# Altium PCB pcb.PcbDoc (part 1 of 2) (continued)
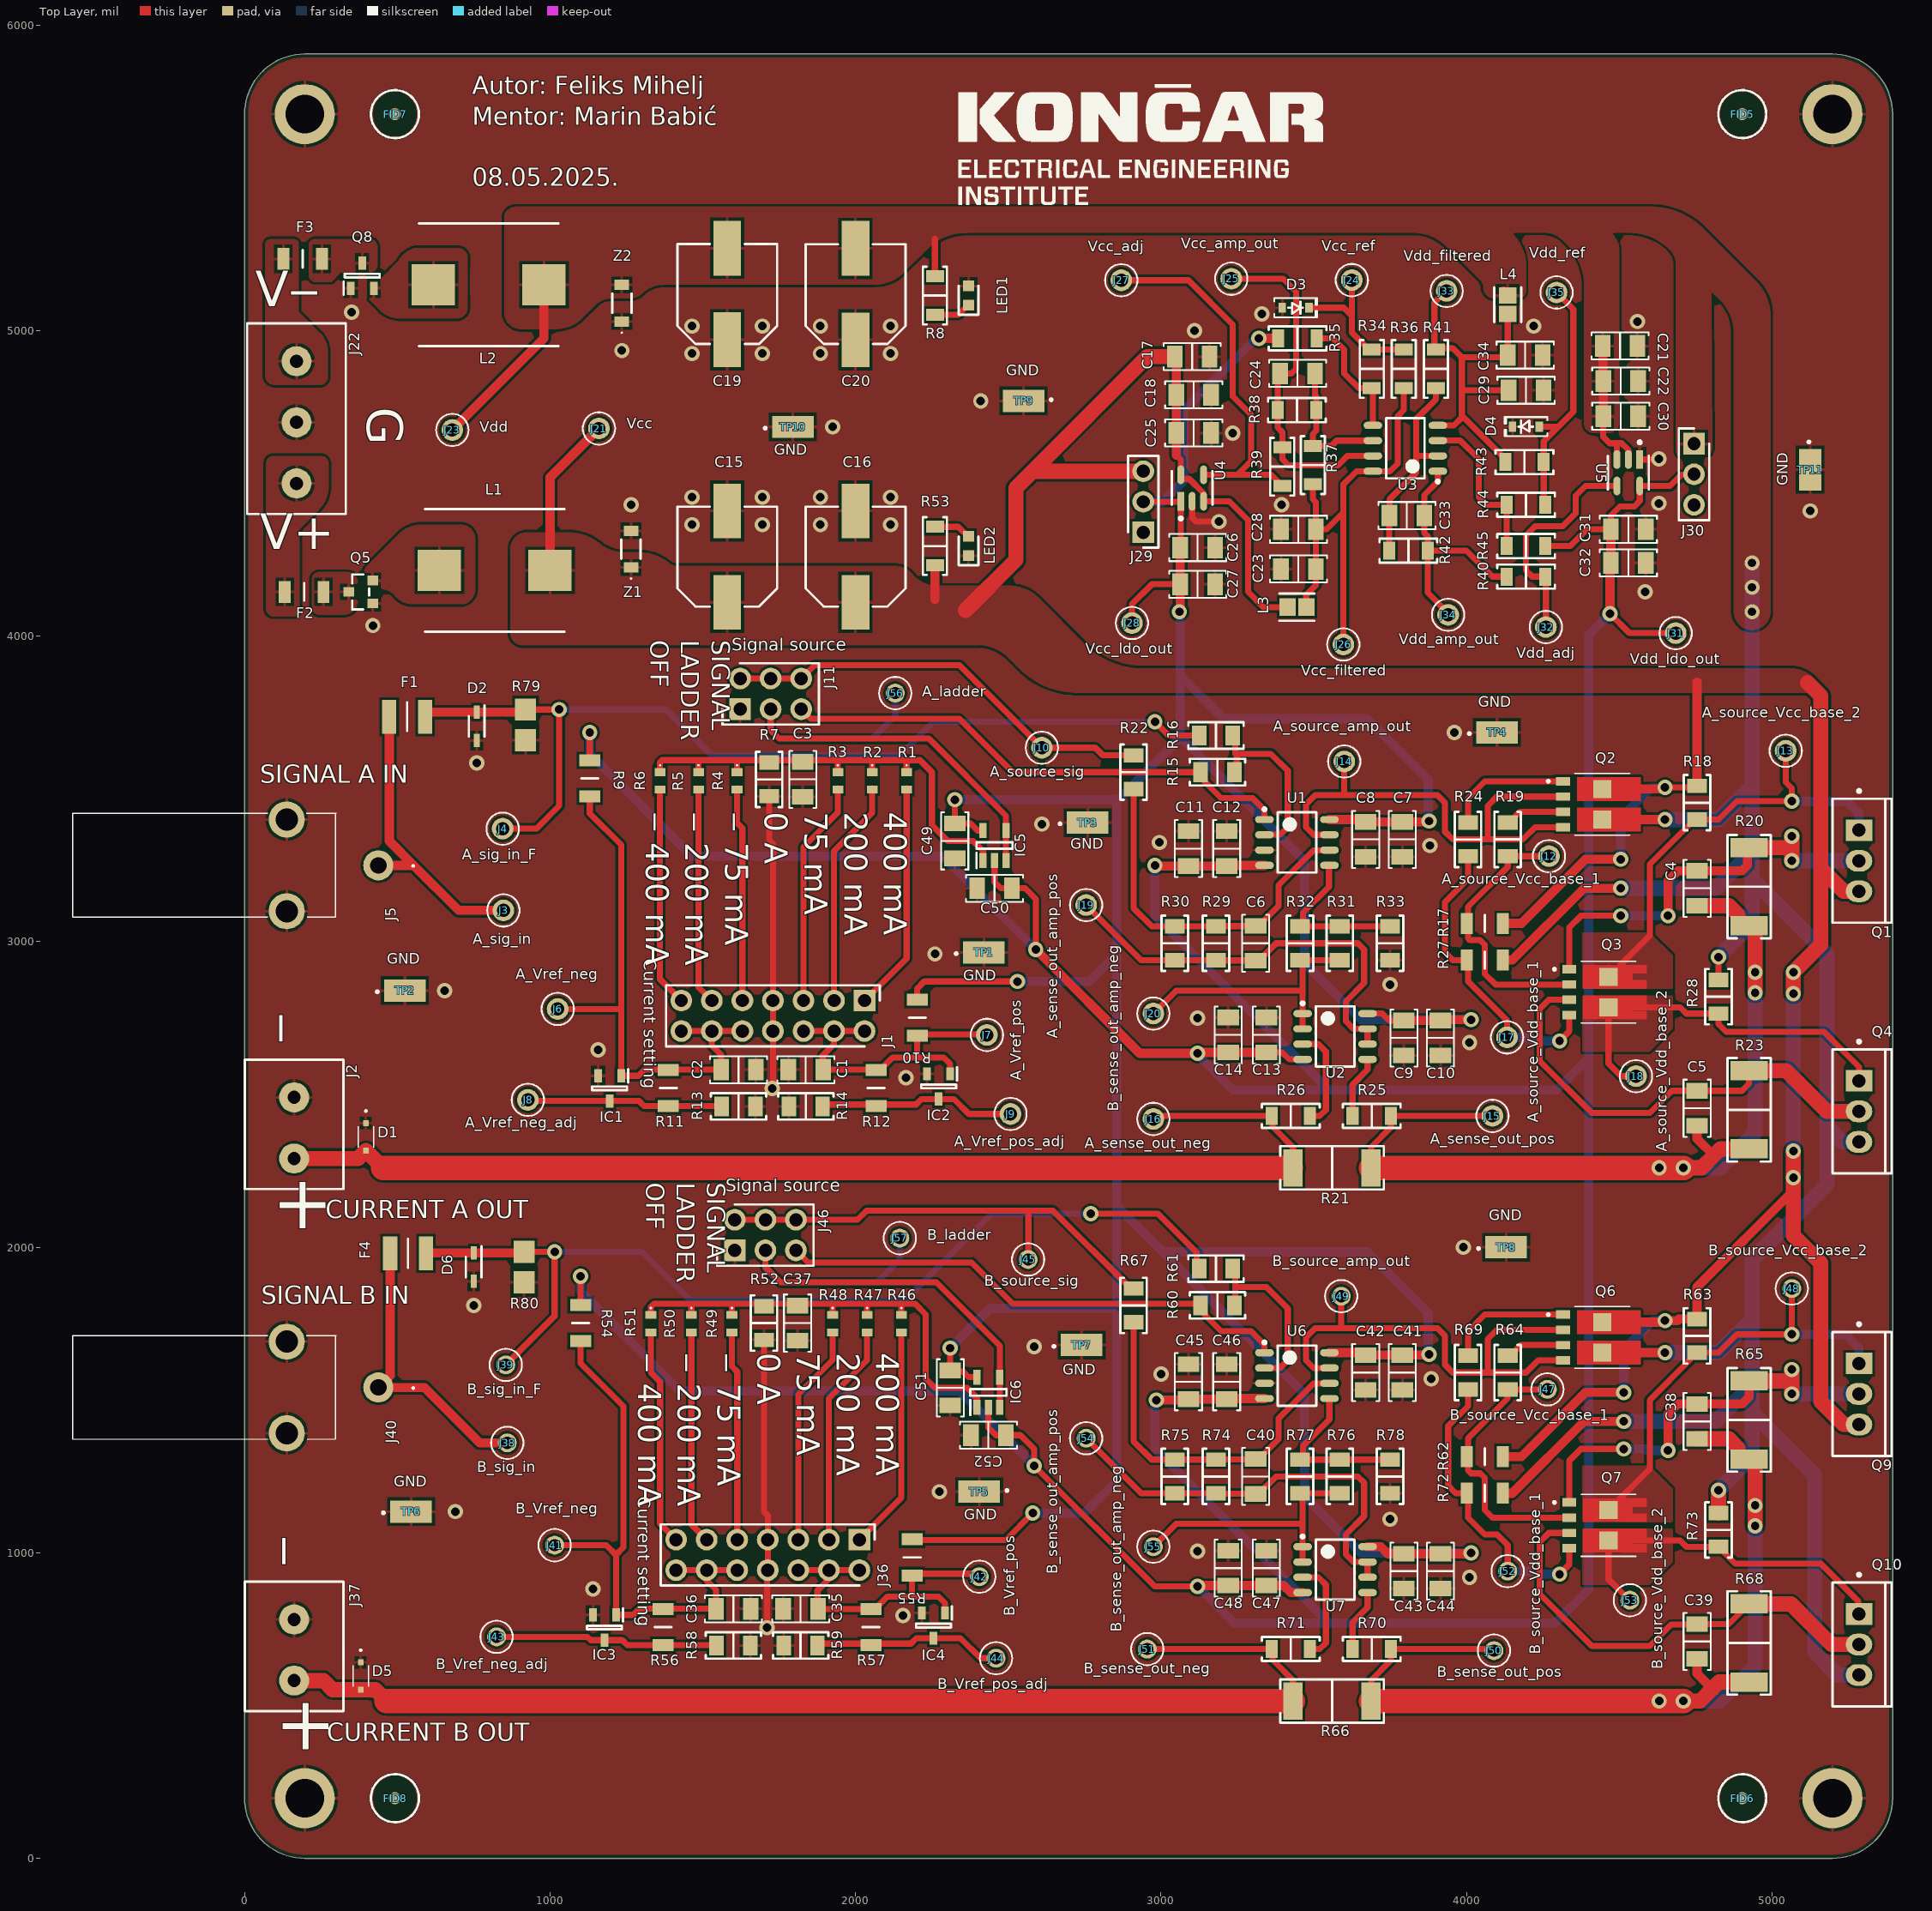
[diagram p0: Top Layer view]
## Design rules (kind name [scope] priority, off if disabled: settings)
BoardOutlineClearance [All] p1: gap=11.81 ignorepadtopadclearanceinfootprint=FALSE except(15.75: Arc-SplitBarrior Arc-SplitContinuation Track-SplitBarrior Track-SplitContinuation SMDPad-SplitBarrior SMDPad-SplitContinuation THPad-SplitBarrior THPad-SplitContinuation Via-SplitBarrior Via-SplitContinuation Fill-SplitBarrior Fill-SplitContinuation Poly-SplitBarrior Poly-SplitContinuation Region-SplitBarrior Region-SplitContinuation Text-SplitBarrior Text-SplitContinuation)
Clearance "Clearance Different Nets" [All] p1: gap=7.87 ignorepadtopadclearanceinfootprint=FALSE except(3.5: Arc-Arc Arc-Track Arc-SMDPad Track-Track Track-SMDPad; 5: SMDPad-SMDPad SMDPad-Via THPad-Via Via-Via; 10: Arc-Via Arc-Text Track-Via Track-Text SMDPad-Text THPad-Text Via-Text Fill-Text Poly-Text Region-Text Text-Text; 19.68: THPad-THPad Via-Hole)
Clearance "Clearance Same Nets" [All] p2: gap=7.87 ignorepadtopadclearanceinfootprint=FALSE except(3.5: Arc-Arc Arc-Track Arc-SMDPad Track-Track Track-SMDPad SMDPad-SMDPad; 5: SMDPad-Via THPad-Via; 10: Arc-Via Arc-Text Track-Via Track-Text SMDPad-Text THPad-Text Via-Via Via-Text Fill-Text Poly-Text Region-Text Text-Text)
Clearance "Clearance Bottom Layer" [OnLayer('Bottom Layer')] p3: gap=8 ignorepadtopadclearanceinfootprint=TRUE except(10: Arc-Text Track-Text SMDPad-Text THPad-Text Via-Text Fill-Text Poly-Text Region-Text Text-Text)
Clearance "Clearance Top Layer" [OnLayer('Top Layer')] p4: gap=8 ignorepadtopadclearanceinfootprint=TRUE except(10: Arc-Text Track-Text SMDPad-Text THPad-Text Via-Text Fill-Text Poly-Text Region-Text Text-Text)
Clearance [All] p5: gap=10 ignorepadtopadclearanceinfootprint=FALSE except(0: Arc-Hole Track-Hole SMDPad-Hole THPad-Hole Via-Hole Fill-Hole Poly-Hole Region-Hole Text-Hole)
HoleSize [All] p1: absolutevalues=TRUE maxlimit=248.03 minlimit=7.87 maxpercent=80.000 minpercent=20.000
MinimumAnnularRing [All] p1: minimumring=5.12
MinimumSolderMaskSliver [All] p1: minsoldermaskwidth=3.94
PolygonConnect NoReliefPolygonConnect [InPadClass('NoThermalReliefPads') OR IsVia] p1: connectstyle=Direct reliefconductorwidth=10 reliefentries=4 polygonreliefangle="90 Angle" airgapwidth=10
PolygonConnect [All] p2: connectstyle=Relief reliefconductorwidth=10 reliefentries=4 polygonreliefangle="90 Angle" airgapwidth=10
RoutingCorners [All] p1: cornerstyle=Round minsetback=100 maxsetback=100
RoutingVias [All] p1: holewidth=19.68 width=39.37 viastyle="Through Hole" minholewidth=7.87 minwidth=13.78 maxholewidth=39.37 maxwidth=78.74
SilkToSilkClearance [All] p1: silktosilkclearance=3.94
SilkToSolderMaskClearance [IsPad] p1: minsilkscreentomaskgap=3.94 clearancetoexposedcopper=TRUE
SolderMaskExpansion [All] p1: expansion=4 istentingtop=FALSE
Width [All] p1: maxlimit=100 minlimit=3.5 preferedwidth=15
25 further rules are at their usual default settings.

## Classes and differential pairs
component class source_B: C38 C39 C40 C41 C42 C43 C44 C45 C46 C47 C48 J47 J48 J49 J50 J51 J52 J53 J54 J55 Q6 Q7 Q9 Q10 R60 R61 R62 R63 R64 R65 R66 R67 R68 R69 R70 R71 R72 R73 R74 R75 R76 R77 R78 TP7 TP8 U6 U7
component class misc_B: C35 C36 C37 C51 C52 D5 D6 F4 IC3 IC4 IC6 J36 J37 J38 J39 J40 J41 J42 J43 J44 J45 J46 J57 R46 R47 R48 R49 R50 R51 R52 R54 R55 R56 R57 R58 R59 R80 TP5 TP6
component class source_A: C4 C5 C6 C7 C8 C9 C10 C11 C12 C13 C14 J12 J13 J14 J15 J16 J17 J18 J19 J20 Q1 Q2 Q3 Q4 R15 R16 R17 R18 R19 R20 R21 R22 R23 R24 R25 R26 R27 R28 R29 R30 R31 R32 R33 TP3 TP4 U1 U2
component class misc_A: C1 C2 C3 C49 C50 D1 D2 F1 IC1 IC2 IC5 J1 J2 J3 J4 J5 J6 J7 J8 J9 J10 J11 J56 R1 R2 R3 R4 R5 R6 R7 R9 R10 R11 R12 R13 R14 R79 TP1 TP2
component class power: C15 C16 C17 C18 C19 C20 C21 C22 F2 F3 FID1 FID2 FID3 FID4 FID5 FID6 FID7 FID8 J21 J22 J23 L1 L2 LED1 LED2 Q5 Q8 R8 R53 TP9 Z1 Z2
component class LDO: C23 C24 C25 C26 C27 C28 C29 C30 C31 C32 C33 C34 D3 D4 J24 J25 J26 J27 J28 J29 J30 J31 J32 J33 J34 J35 L3 L4 R34 R35 R36 R37 R38 R39 R40 R41 R42 R43 R44 R45 TP10 TP11 U3 U4 U5

## Components (designator, comment, footprint, x,y, rotation, side; value= is the part's Value field where it differs from the comment)
C1 "1 µF" "CAP 1206_3216 - 0.8MM" 1837.16,2581.34 r180 top
C2 "1 µF" "CAP 1206_3216 - 0.8MM" 1617.16,2581.34 r180 top
C3 "0.1 µF" "CAP 1206_3216 - 0.8MM" 1827.16,3531.34 r270 top
C4 "0.1 µF" "CAP 1206_3216 - 0.8MM" 4755,3175 r90 top
C5 "0.1 µF" "CAP 1206_3216 - 0.8MM" 4755,2455 r270 top
C6 "47pF" "CAP 1206_3216 - 1.8MM" 3310,2995 r270 top
C7 "0.1 µF" "CAP 1206_3216 - 0.8MM" 3790,3335 r90 top
C8 "1 µF" "CAP 1206_3216 - 0.8MM" 3670,3335 r90 top
C9 "1 µF" "CAP 1206_3216 - 0.8MM" 3795,2685 r270 top
C10 "0.1 µF" "CAP 1206_3216 - 0.8MM" 3915,2685 r270 top
C11 "1 µF" "CAP 1206_3216 - 0.8MM" 3090,3305 r90 top
C12 "0.1 µF" "CAP 1206_3216 - 0.8MM" 3215,3305 r90 top
C13 "1 µF" "CAP 1206_3216 - 0.8MM" 3345,2695 r90 top
C14 "0.1 µF" "CAP 1206_3216 - 0.8MM" 3220,2695 r90 top
C15 "100 µF" "CAP ALSMD 8.3MM H10.5MM" 1580,4260.48 r90 top
C16 "100 µF" "CAP ALSMD 8.3MM H10.5MM" 2000,4260.48 r90 top
C17 "10 µF" "CAP 1206_3216 - 0.8MM" 3102.01,4915 r180 top
C18 "0.1 µF" "CAP 1206_3216 - 0.8MM" 3107.01,4790 r180 top
C19 "100 µF" "CAP ALSMD 8.3MM H10.5MM" 1580,5120.09 r90 top
C20 "100 µF" "CAP ALSMD 8.3MM H10.5MM" 2000,5119.61 r90 top
C21 "10 µF" "CAP 1206_3216 - 0.8MM" 4502.91,4950 r0 top
C22 "0.1 µF" "CAP 1206_3216 - 0.8MM" 4505,4835 r0 top
C23 "10 µF" "CAP 1206_3216 - 0.8MM" 3450,4220 r0 top
C24 "47pF" "CAP 1206_3216 - 1.8MM" 3447.01,4860 r180 top
C25 "2.2 µF" "CAP 1206_3216 - 0.8MM" 3107.01,4665 r180 top
C26 "2.2 µF" "CAP 1206_3216 - 0.8MM" 3120,4290 r180 top
C27 "2.2 µF" "CAP 1206_3216 - 0.8MM" 3120,4170 r180 top
C28 "0.1 µF" "CAP 1206_3216 - 0.8MM" 3450,4350 r180 top
C29 "0.1 µF" "CAP 1206_3216 - 0.8MM" 4195,4805 r180 top
C30 "2.2 µF" "CAP 1206_3216 - 0.8MM" 4505,4720 r180 top
C31 "2.2 µF" "CAP 1206_3216 - 0.8MM" 4530,4350 r180 top
C32 "2.2 µF" "CAP 1206_3216 - 0.8MM" 4530,4240 r180 top
C33 "47pF" "CAP 1206_3216 - 1.8MM" 3805,4395 r0 top
C34 "10 µF" "CAP 1206_3216 - 0.8MM" 4192.09,4920 r180 top
C35 "1 µF" "CAP 1206_3216 - 0.8MM" 1820.2,816.84 r180 top
C36 "1 µF" "CAP 1206_3216 - 0.8MM" 1600.2,816.84 r180 top
C37 "0.1 µF" "CAP 1206_3216 - 0.8MM" 1810.2,1751.84 r270 top
C38 "0.1 µF" "CAP 1206_3216 - 0.8MM" 4755,1430 r90 top
C39 "0.1 µF" "CAP 1206_3216 - 0.8MM" 4755,710 r270 top
C40 "47pF" "CAP 1206_3216 - 1.8MM" 3310,1250 r270 top
C41 "0.1 µF" "CAP 1206_3216 - 0.8MM" 3790,1590 r90 top
C42 "1 µF" "CAP 1206_3216 - 0.8MM" 3670,1590 r90 top
C43 "1 µF" "CAP 1206_3216 - 0.8MM" 3795,940 r270 top
C44 "0.1 µF" "CAP 1206_3216 - 0.8MM" 3915,940 r270 top
C45 "1 µF" "CAP 1206_3216 - 0.8MM" 3090,1560 r90 top
C46 "0.1 µF" "CAP 1206_3216 - 0.8MM" 3215,1560 r90 top
C47 "1 µF" "CAP 1206_3216 - 0.8MM" 3345,950 r90 top
C48 "0.1 µF" "CAP 1206_3216 - 0.8MM" 3220,950 r90 top
C49 "0.1 µF" "CAP 1206_3216 - 0.8MM" 2325,3330 r90 top
C50 "1 µF" "CAP 1206_3216 - 0.8MM" 2455,3175 r180 top
C51 "0.1 µF" "CAP 1206_3216 - 0.8MM" 2310,1540 r90 top
C52 "1 µF" "CAP 1206_3216 - 0.8MM" 2435,1385 r180 top
D1 "SD15C-01FTG" SD15C01FTG 397.16,2361.34 r270 top
D2 "AQW05C-01FTG" SOD2613X100N 760,3705 r270 top
D3 "1V8" SOD323 3440.37,5075.79 r0 top
D4 "1V8" SOD323 4195,4685 r180 top
D5 "SD15C-01FTG" SD15C01FTG 380.2,596.84 r270 top
D6 "AQW05C-01FTG" SOD2613X100N 750,1935 r270 top
F1 "0ZCH0005FF2E" FUSC3226X115N 532.16,3736.34 r0 top
F2 "PTS12066V150" FUSC3216X90N 195,4145 r0 top
F3 "PTS12066V150" FUSC3216X90N 190,5235 r0 top
F4 "0ZCH0005FF2E" FUSC3226X115N 535,1980 r0 top
FID1 "FID_RND" FID_RND 492.13,5708.66 r180 bottom
FID2 "FID_RND" FID_RND 4902.87,5708.66 r180 bottom
FID3 "FID_RND" FID_RND 492.13,196.85 r180 bottom
FID4 "FID_RND" FID_RND 4902.87,196.85 r180 bottom
FID5 "FID_RND" FID_RND 4902.87,5708.66 r0 top
FID6 "FID_RND" FID_RND 4902.87,196.85 r0 top
FID7 "FID_RND" FID_RND 492.13,5708.66 r0 top
FID8 "FID_RND" FID_RND 492.13,196.85 r0 top
IC1 "LM431CCM3" SOT96P240X110-3N 1194.96,2520 r270 top
IC2 "LM431CCM3" SOT96P240X110-3N 2272.16,2526.34 r270 top
IC3 "LM431CCM3" SOT96P240X110-3N 1177.99,755.51 r270 top
IC4 "LM431CCM3" SOT96P240X110-3N 2255.2,761.84 r270 top
IC5 "LM321SN3T1G" SOT95P275X110-5N 2455,3315 r90 top
IC6 "LM321SN3T1G" SOT95P275X110-5N 2435,1525 r90 top
J1 "TD-107-G-AA" HDRV14W46P254_2X7_1778X508X818P 2029.64,2807.6 r180 top
J2 "282837-2" "TE 282837-2" 162.16,2390.63 r90 top
J3 "A_sig_in" FP-5001-MFG#1 847.33,3102.67 r90 top
J4 "A_sig_in_F" FP-5001-MFG#1 845,3370 r90 top
J5 "5414373-1" 54143731 437.8,3250 r0 top
J6 "A_Vref_neg" FP-5001-MFG#1 1025,2780 r0 top
J7 "A_Vref_pos" FP-5001-MFG#1 2430,2695 r0 top
J8 "A_Vref_neg_adj" FP-5001-MFG#1 927.5,2482.5 r0 top
J9 "A_Vref_pos_adj" FP-5001-MFG#1 2507.16,2436.34 r0 top
J10 "A_source_sig" FP-5001-MFG#1 2610,3635 r0 top
J11 "PRT-12807" HDRV6W82P254_2X3_762X500X884P 1622.16,3761.34 r0 top
J12 "A_source_Vcc_base_1" FP-5001-MFG#1 4270,3280 r0 top
J13 "A_source_Vcc_base_2" FP-5001-MFG#1 5045,3625 r0 top
J14 "A_source_amp_out" FP-5001-MFG#1 3600,3590 r0 top
J15 "A_sense_out_pos" FP-5001-MFG#1 4085,2430 r0 top
J16 "A_sense_out_neg" FP-5001-MFG#1 2975,2420 r0 top
J17 "A_source_Vdd_base_1" FP-5001-MFG#1 4132.85,2687.15 r0 top
J18 "A_source_Vdd_base_2" FP-5001-MFG#1 4555,2560 r0 top
J19 "A_sense_out_amp_pos" FP-5001-MFG#1 2755,3120 r0 top
J20 "B_sense_out_amp_neg" FP-5001-MFG#1 2975,2765 r0 top
J21 "Vcc" FP-5001-MFG#1 1160,4680 r90 top
J22 "282837-3" "TE 282837-3" 170,4700 r90 top
J23 "Vdd" FP-5001-MFG#1 680,4675 r90 top
J24 "Vcc_ref" FP-5001-MFG#1 3624.6,5165.4 r270 top
J25 "Vcc_amp_out" FP-5001-MFG#1 3230,5170 r0 top
J26 "Vcc_filtered" FP-5001-MFG#1 3597.01,3972.99 r270 top
J27 "Vcc_adj" FP-5001-MFG#1 2870,5165 r270 top
J28 "Vcc_ldo_out" FP-5001-MFG#1 2905,4043.11 r0 top
J29 "M20-9990346" "HDRV3W64P0X254_1X3_762X254X864P - duplicate" 2942.01,4340 r90 top
J30 "M20-9990346" "HDRV3W64P0X254_1X3_762X254X864P - duplicate" 4745,4630 r270 top
J31 "Vdd_ldo_out" FP-5001-MFG#1 4685,4010 r0 top
J32 "Vdd_adj" FP-5001-MFG#1 4260,4030 r270 top
J33 "Vdd_filtered" FP-5001-MFG#1 3935,5130 r270 top
J34 "Vdd_amp_out" FP-5001-MFG#1 3940,4070 r0 top
J35 "Vdd_ref" FP-5001-MFG#1 4295,5125 r270 top
J36 "TD-107-G-AA" HDRV14W46P254_2X7_1778X508X818P 2012.68,1043.1 r180 top
J37 "282837-2" "TE 282837-2" 162.16,681.84 r90 top
J38 "B_sig_in" FP-5001-MFG#2 860,1360 r90 top
J39 "B_sig_in_F" FP-5001-MFG#2 855,1615 r90 top
J40 "5414373-1" 54143731 437.8,1541.21 r0 top
J41 "B_Vref_neg" FP-5001-MFG#2 1015,1025 r0 top
J42 "B_Vref_pos" FP-5001-MFG#2 2405.2,921.84 r0 top
J43 "B_Vref_neg_adj" FP-5001-MFG#2 825,725 r0 top
J44 "B_Vref_pos_adj" FP-5001-MFG#2 2460,655 r0 top
J45 "B_source_sig" FP-5001-MFG#2 2565,1960 r0 top
J46 "PRT-12807" HDRV6W82P254_2X3_762X500X884P 1605,1990 r0 top
J47 "B_source_Vcc_base_1" FP-5001-MFG#2 4265,1535 r0 top
J48 "B_source_Vcc_base_2" FP-5001-MFG#2 5065,1865 r0 top
J49 "B_source_amp_out" FP-5001-MFG#2 3590,1840 r0 top
J50 "B_sense_out_pos" FP-5001-MFG#2 4090,680 r0 top
J51 "B_sense_out_neg" FP-5001-MFG#2 2955,685 r0 top
J52 "B_source_Vdd_base_1" FP-5001-MFG#2 4135,940 r0 top
J53 "B_source_Vdd_base_2" FP-5001-MFG#2 4535,845 r0 top
J54 "B_sense_out_amp_pos" FP-5001-MFG#2 2755,1375 r0 top
J55 "B_sense_out_amp_neg" FP-5001-MFG#2 2975,1020 r0 top
J56 "A_ladder" FP-5001-MFG#2 2130.11,3813.78 r0 top
J57 "B_ladder" FP-5001-MFG#2 2145,2030 r0 top
L1 "33uH" INDPM116102X400N 818.9,4215.48 r0 top
L2 "33uH" INDPM116102X400N 798.9,5150.48 r180 top
L3 "MLZ2012M3R3HT000" FP-MLZ2012-1_25-IPC_B 3445,4095 r0 top value=3.3uH
L4 "MLZ2012M3R3HT000" FP-MLZ2012-1_25-IPC_B 4135,5085 r270 top value=3.3uH
LED1 "LTST-C191KRKT" LEDC1608X55N 2370,5115 r90 top
LED2 "LTST-C191KRKT" LEDC1608X55N 2370,4295 r90 top
Q1 "TIP32C" ONSC-TO-220-3-221A-09 5285,3265 r0 top
Q2 "PHPT610030NPKX" TRANS_BUK9K18-40E,115 4445,3450 r0 top
Q3 "PHPT610030NPKX" TRANS_BUK9K18-40E,115 4465,2835 r0 top
Q4 "TIP31C" ONSC-TO-220-3-221A-09 5285,2445 r0 top
Q5 "DIODES MOSFET P-CH SOT-23-3" "DIODES SOT-23-3" 380,4145 r180 top
Q6 "PHPT610030NPKX" TRANS_BUK9K18-40E,115 4445,1705 r0 top
Q7 "PHPT610030NPKX" TRANS_BUK9K18-40E,115 4465,1090 r0 top
Q8 "DMG3406L-13" SOT96P240X110-3N 385,5180 r90 top
Q9 "TIP32C" ONSC-TO-220-3-221A-09 5285,1520 r0 top
Q10 "TIP31C" ONSC-TO-220-3-221A-09 5285,700 r0 top
R1 "3 kOhm" ERA3AEB101V 2167.16,3526.34 r270 top
R2 "7.96 kOhm" ERA3AEB101V 2054.66,3526.34 r270 top
R3 "24.6 kOhm" ERA3AEB101V 1942.16,3526.34 r270 top
R4 "24.6 kOhm" ERA3AEB101V 1612.16,3526.34 r270 top
R5 "7.96 kOhm" ERA3AEB101V 1486.08,3526.34 r270 top
R6 "3 kOhm" ERA3AEB101V 1360,3526.34 r270 top
R7 "2 kOhms" "RES 1206_3216" 1717.16,3531.34 r90 top
R8 "680 Ohms" "YAGEO RES 1206_3216" 2260,5115 r90 top
R9 "2.2 kOhm" RESC3116X65N 1130,3535 r90 top
R10 "2.2 kOhm" RESC3116X65N 2202.16,2751.34 r90 top
R11 "400" RESC3116X65N 1387.16,2521.34 r90 top
R12 "400" RESC3116X65N 2067.16,2521.34 r90 top
R13 "2 kOhms" "RES 1206_3216" 1617.16,2461.34 r180 top
R14 "2 kOhms" "RES 1206_3216" 1837.16,2461.34 r0 top
R15 "12 kOhms" "RES 1206_3216" 3185,3555 r180 top
R16 "12 kOhms" "RES 1206_3216" 3180,3675 r180 top
R17 "2.2 kOhm" RESC3116X65N 4060,3060 r0 top
R18 "51 Ohms" "RES 1206_3216" 4755,3455 r90 top
R19 "5.1 Ohms" "RES 1206_3216" 4135,3335 r270 top
R20 "330 mOhms" "STACKPOLE CSR2512" 4925,3180 r90 top
R21 "500 mOhms" "STACKPOLE CSR2512" 3560,2260 r0 top
R22 "12 kOhms" "RES 1206_3216" 2910,3554.88 r90 top
R23 "330 mOhms" "STACKPOLE CSR2512" 4925,2450 r270 top
R24 "5.1 Ohms" "RES 1206_3216" 4005,3334.88 r90 top
R25 "3.3 kOhms" "YAGEO RES 1206_3216" 3690,2430 r180 top
R26 "3.3 kOhms" "YAGEO RES 1206_3216" 3425,2430 r0 top
R27 "2.2 kOhm" RESC3116X65N 4060,2940 r180 top
R28 "51 Ohms" "RES 1206_3216" 4825,2820 r270 top
R29 "2 kOhms" "RES 1206_3216" 3180,2995 r270 top
R30 "1 kOhms" "RES 1206_3216" 3045,2995 r270 top
R31 "2 kOhms" "RES 1206_3216" 3585,2995 r270 top
R32 "1 kOhms" "RES 1206_3216" 3455,2995 r270 top
R33 "12 kOhms" "RES 1206_3216" 3750,2995 r90 top
R34 "10 kOhms" "YAGEO RES 1206_3216" 3690,4875 r90 top
R35 "10 kOhms" "YAGEO RES 1206_3216" 3447.01,4975 r0 top
R36 "2.2 kOhms" "YAGEO RES 1206_3216" 3795,4875 r90 top
R37 "10 kOhms" "YAGEO RES 1206_3216" 3497.01,4560 r270 top
R38 "10 kOhms" "YAGEO RES 1206_3216" 3445,4740 r0 top
R39 "3.3 kOhms" "YAGEO RES 1206_3216" 3397.01,4555 r270 top
R40 "3.3 kOhms" "YAGEO RES 1206_3216" 4195,4195 r180 top
R41 "10 kOhms" "YAGEO RES 1206_3216" 3900,4875 r90 top
R42 "10 kOhms" "YAGEO RES 1206_3216" 3810,4280 r180 top
R43 "2.2 kOhms" "YAGEO RES 1206_3216" 4190,4570 r180 top
R44 "10 kOhms" "YAGEO RES 1206_3216" 4195,4430 r0 top
R45 "10 kOhms" "YAGEO RES 1206_3216" 4195,4295 r180 top
R46 "3 kOhm" ERA3AEB101V 2150.2,1750 r270 top
R47 "7.96 kOhm" ERA3AEB101V 2037.7,1750 r270 top
R48 "24.6 kOhm" ERA3AEB101V 1925.2,1750 r270 top
R49 "24.6 kOhm" ERA3AEB101V 1595.2,1750 r270 top
R50 "7.96 kOhm" ERA3AEB101V 1462.6,1750 r270 top
R51 "3 kOhm" ERA3AEB101V 1330,1750 r270 top
R52 "2 kOhms" "RES 1206_3216" 1700.2,1751.84 r90 top
R53 "680 Ohms" "YAGEO RES 1206_3216" 2260,4295 r270 top
R54 "2.2 kOhm" RESC3116X65N 1100,1751.84 r90 top
R55 "2.2 kOhm" RESC3116X65N 2185,985 r90 top
R56 "400" RESC3116X65N 1370.2,756.84 r90 top
R57 "400" RESC3116X65N 2050.2,756.84 r90 top
R58 "2 kOhms" "RES 1206_3216" 1600.2,696.84 r180 top
R59 "2 kOhms" "RES 1206_3216" 1820.2,696.84 r0 top
R60 "12 kOhms" "RES 1206_3216" 3185,1810 r180 top
R61 "12 kOhms" "RES 1206_3216" 3180,1930 r180 top
R62 "2.2 kOhm" RESC3116X65N 4060,1315 r0 top
R63 "51 Ohms" "RES 1206_3216" 4755,1710 r90 top
R64 "5.1 Ohms" "RES 1206_3216" 4135,1590 r270 top
R65 "330 mOhms" "STACKPOLE CSR2512" 4925,1435 r90 top
R66 "500 mOhms" "STACKPOLE CSR2512" 3560,515 r0 top
R67 "12 kOhms" "RES 1206_3216" 2910,1809.88 r90 top
R68 "330 mOhms" "STACKPOLE CSR2512" 4925,705 r270 top
R69 "5.1 Ohms" "RES 1206_3216" 4005,1589.88 r90 top
R70 "3.3 kOhms" "YAGEO RES 1206_3216" 3690,685 r180 top
R71 "3.3 kOhms" "YAGEO RES 1206_3216" 3425,685 r0 top
R72 "2.2 kOhm" RESC3116X65N 4060,1195 r180 top
R73 "51 Ohms" "RES 1206_3216" 4825,1075 r270 top
R74 "2 kOhms" "RES 1206_3216" 3180,1250 r270 top
R75 "1 kOhms" "RES 1206_3216" 3045,1250 r270 top
R76 "2 kOhms" "RES 1206_3216" 3585,1250 r270 top
R77 "1 kOhms" "RES 1206_3216" 3455,1250 r270 top
R78 "12 kOhms" "RES 1206_3216" 3750,1250 r90 top
R79 "TFHP1206D-50RFT5" RESC3016X58N 920,3710 r90 top
R80 "TFHP1206D-50RFT5" RESC3016X58N 915,1935 r90 top
TP1 "GND" S175146R 2420,2965 r180 top
TP2 "GND" S175146R 525,2840 r180 top
TP3 "GND" S175146R 2760,3390 r180 top
TP4 "GND" S175146R 4100,3685 r180 top
TP5 "GND" S175146R 2405,1200 r0 top
TP6 "GND" S175146R 545,1135 r180 top
TP7 "GND" S175146R 2740,1680 r180 top
TP8 "GND" S175146R 4130,2000 r180 top
TP9 "GND" S175146R 2550,4770 r0 top
TP10 "GND" S175146R 1795,4685 r180 top
TP11 "GND" S175146R 5125,4545 r90 top
U1 "TLV9362" SOIC8-127P600X175-8N 3445,3325 r0 top
U2 "TLV9362" SOIC8-127P600X175-8N 3570,2690 r0 top
U3 "TLV9362" SOIC8-127P600X175-8N 3800,4615 r180 top
U4 "ST730MR" FP-UJ-5-IPC_B 3102.01,4485 r90 top
U5 "ADP7182AUJZ-R7" FP-UJ-5-IPC_B 4530,4535 r270 top
U6 "TLV9362" SOIC8-127P600X175-8N 3445,1580 r0 top
U7 "TLV9362" SOIC8-127P600X175-8N 3570,945 r0 top
Z1 "SMF15VTFTR" SMF15VTFTR 1265,4285 r180 top
Z2 "SMF15VTFTR" SMF15VTFTR 1235,5090 r180 top

## Footprints (in the part's own frame and the unit in brackets; to place one, negate y for a bottom-side part, rotate by r counter-clockwise, add the part's x,y. Pads: shape width x height; smd on the part's side, far side on the other; paste and mask are expansions set on the pad)
54143731 [mm]
  round 2.5 hole 1.37: 1(0,0)
  round 3 hole 1.86 unplated: 2(-7.62,3.81) 3(-7.62,-3.81)
  silkscreen extent -25.4,-4.32 2.95,4.32, body extent -25.52,-4.83 0.03,4.83, height 9.3
"CAP 1206_3216 - 0.8MM" [mm] "Chip Capacitor, 2-Leads, Body 3.25x1.60mm, IPC Medium Density"
  rect 1.3x1.8 smd: 1(-1.45,0) 2(1.45,0)
  silkscreen extent -2.37,-1.12 2.37,1.12, body extent -1.6,-0.8 1.6,0.8, height 0.8
"CAP 1206_3216 - 1.8MM" [mm] "Chip Capacitor, 2-Leads, Body 3.25x1.60mm, IPC Medium Density"
  rect 1.3x1.8 smd: 1(-1.45,0) 2(1.45,0)
  silkscreen extent -2.38,-1.13 2.38,1.13, body extent -1.6,-0.8 1.6,0.8, height 1.8
"CAP ALSMD 8.3MM H10.5MM" [mm] "Aluminum Electrolytic Capacitor, Body 8.30x8.30x10.50mm, IPC Low Density"
  rect 4.55x2.3 smd: 1(-3.8,0) 2(3.8,0)
  silkscreen extent -4.15,-4.15 4.15,4.15, body extent -4.95,-4.15 4.95,4.15, height 10.5
"DIODES SOT-23-3" [mm] "SOT23, 3-Leads, Body 2.90x2.40mm, Pitch 0.95mm, IPC Medium Density"
  rect 0.9x0.8 smd: 1(-1,0.95) 2(-1,-0.95) 3(1,0)
  silkscreen extent -0.7,-1.45 0.7,1.45, body extent -1.41,-1.45 1.41,1.45, height 1.5
ERA3AEB101V [mm]
  rect 0.65x0.9 smd: 1(-0.725,0) 2(0.725,0)
  silkscreen extent -1.35,-0.05 -1.25,0.05, body extent -0.8,-0.4 0.8,0.4, height 0.45